# Altium PCB DB31.PcbDoc (part 7 of 8)
Units mil, origin at the board's own origin, x right, y up, seen from the top; angles counter-clockwise.
Board outline 3236.22 x 4456.69 mil, 8 copper layers (Top Layer, MidLayer1, MidLayer2, GND-Layer5, MidLayer3, VCC, MidLayer4, Bottom Layer), stack 61.8 mil thick; 226 components, 469 nets, 1815 pads, 1562 vias.
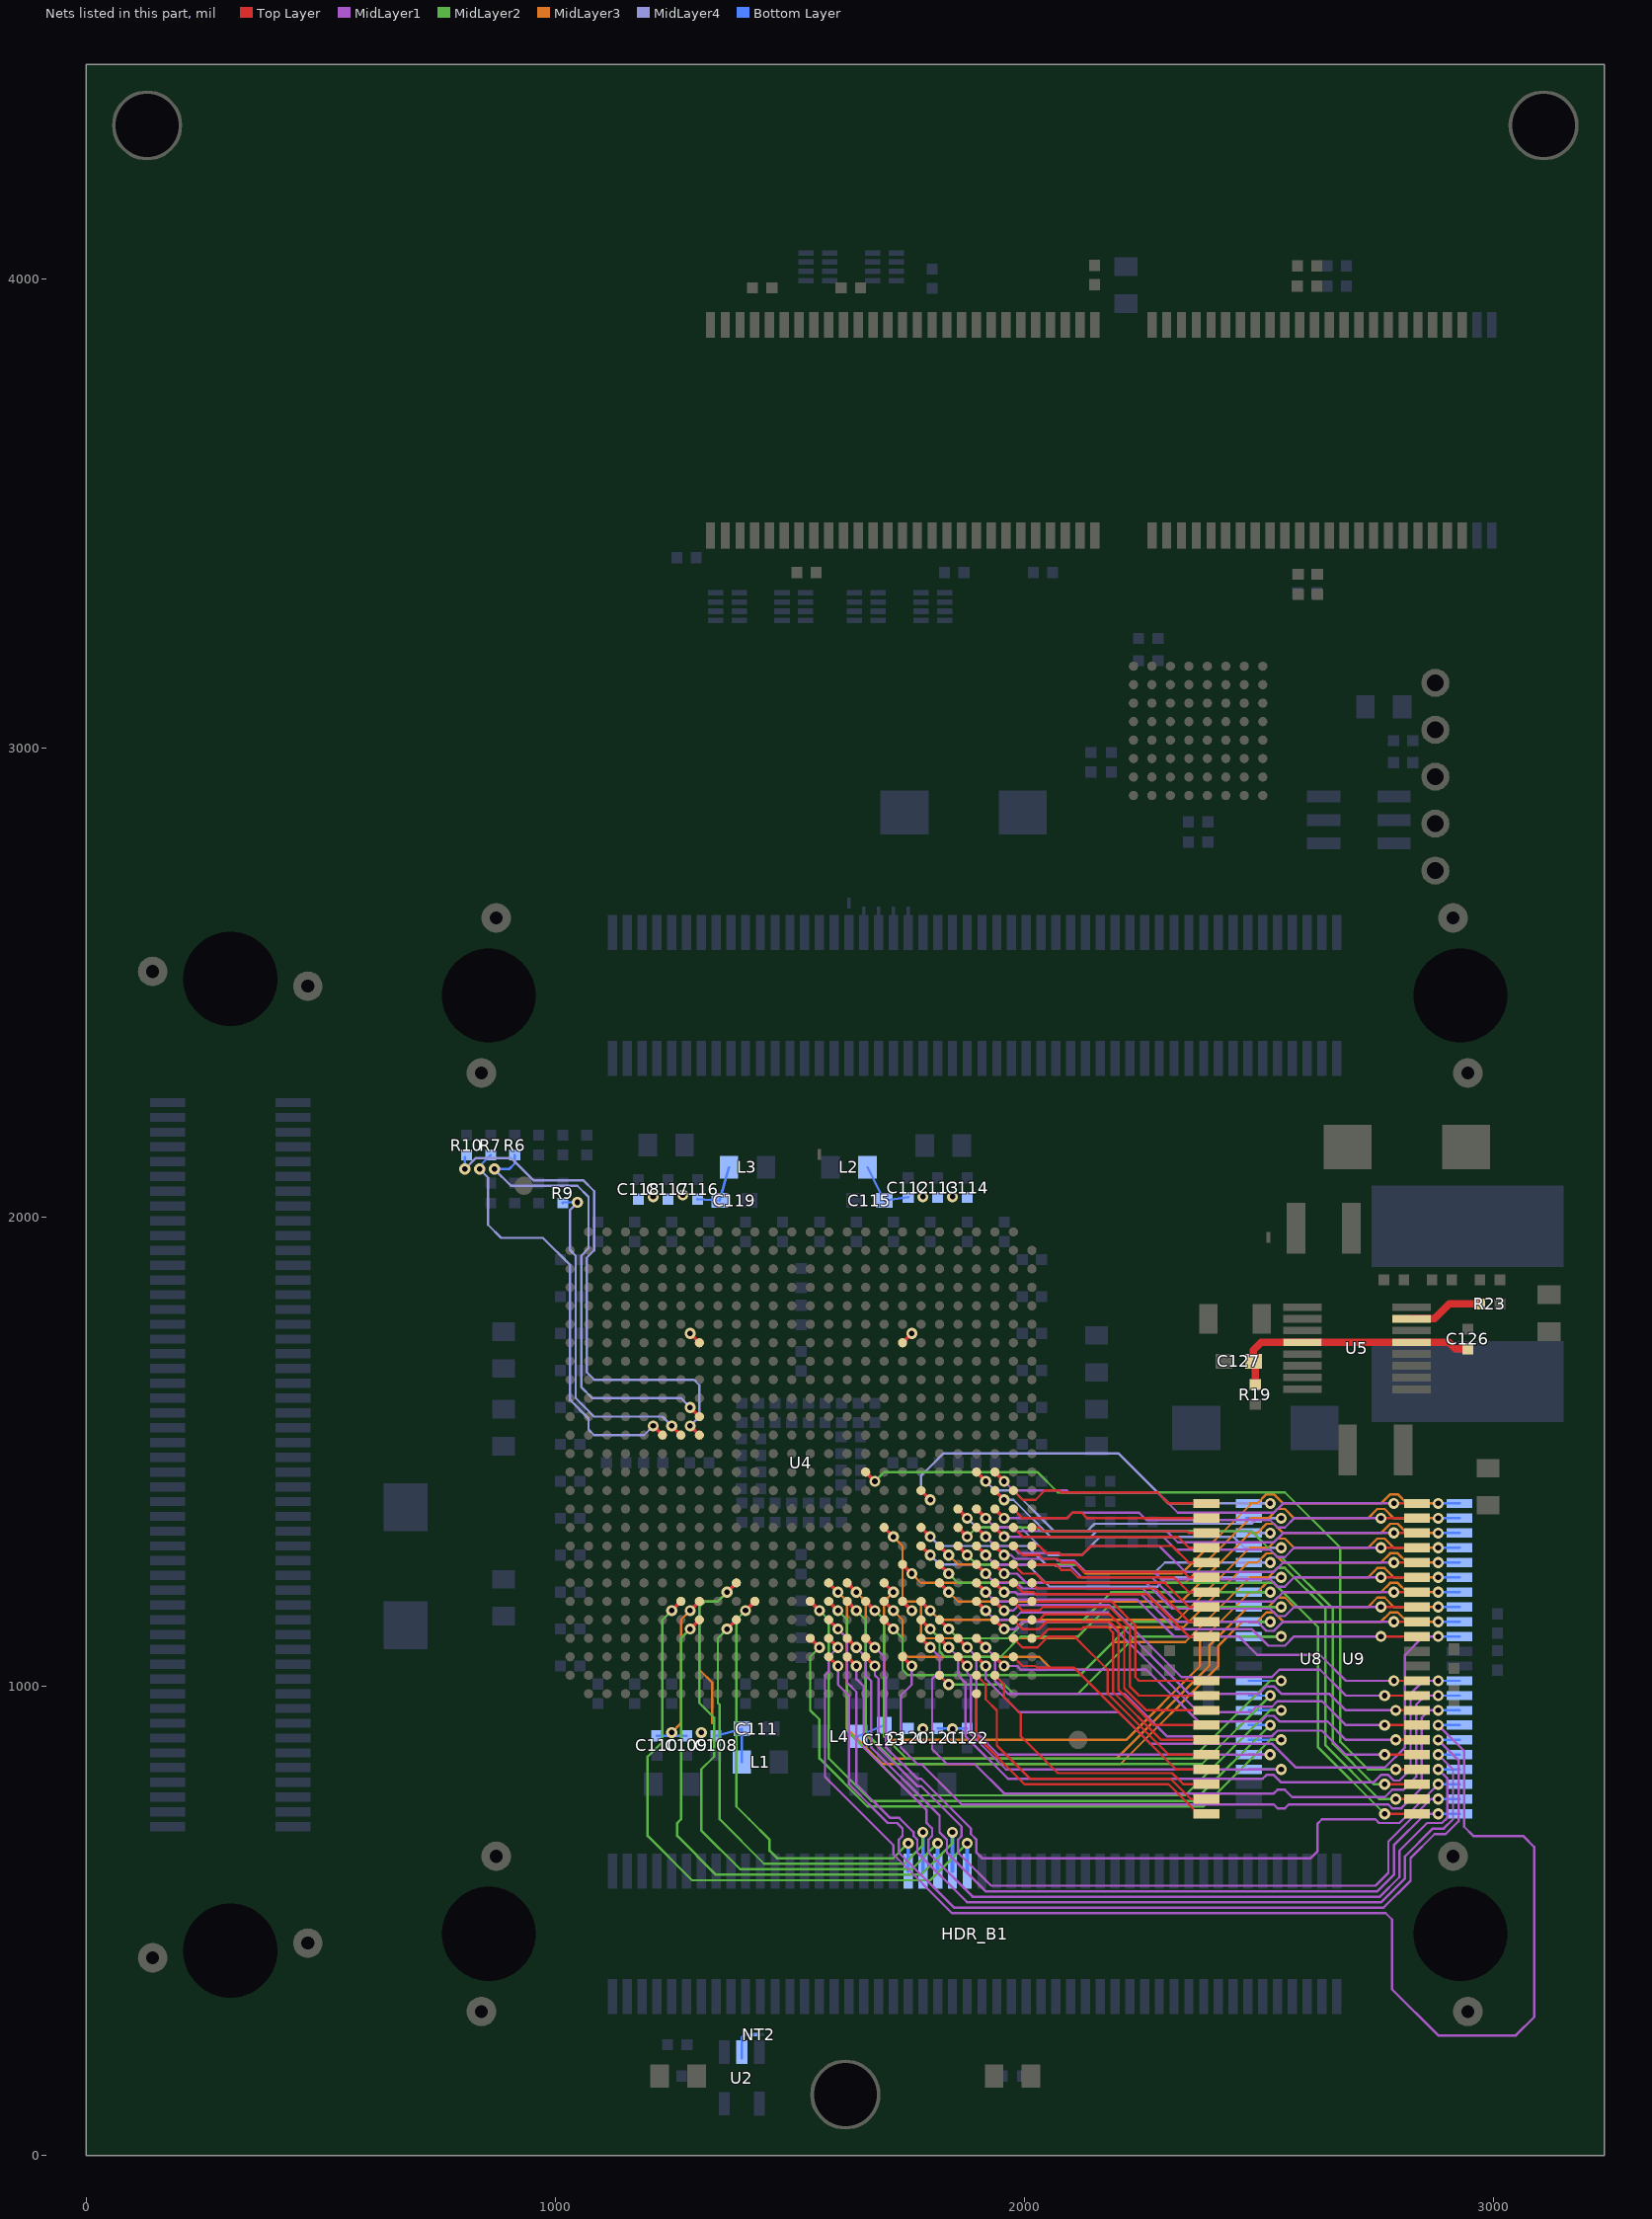
[diagram p13: the nets of this part, all layers, seen from the top]

## Via types
v1: diameter 23.62, hole 11.81, Top Layer to Bottom Layer, 947 vias
v2: diameter 23.62, hole 11.81, Top Layer to Bottom Layer, tented both sides, 476 vias
v3: diameter 27.56, hole 15.75, Top Layer to Bottom Layer, 138 vias
v4: diameter 23.62, hole 11.81, Top Layer to Bottom Layer, tented top, 1 vias

## Nets (pads, with @x,y where several pads share a name; then routed paths per layer and width w, separated by ;. In a path a pad name is that pad's centre, name@x,y a point inside that pad or via, vN(x,y) a via of type N, cw(c..) or ccw(c..) an arc to the next point about the centre after c; other vN are vias at no path point) (continued)
SRAM1_A3: U4.AD22 U9.4 | length 938
  Top Layer w7.87: U4.AD22@1858.27,1062.99 v1(1877.95,1043.3)
  MidLayer1 w5: v1(1877.95,1043.3) 1877.95,1027.56 1885.83,1019.68 1885.83,921.26 1885.83,909.45 1885.83,897.64 1960.63,822.83 v1(2547.24,822.83)
  Bottom Layer w5: U9.4@2478.44,822.83 v1(2547.24,822.83)
SRAM1_A4: U4.AC22 U9.5 | length 907.8
  Top Layer w7.87: U4.AC22@1858.27,1102.36 v1(1877.96,1082.67)
  MidLayer1 w5: v1(1877.96,1082.67) 1897.64,1062.99 1897.64,921.26 1897.64,909.45 1897.64,901.57 1944.88,854.33 v1(2523.62,854.33)
  Bottom Layer w5: U9.5@2478.44,854.32 v1(2523.62,854.33)
SRAM1_A5: U4.U20 U9.18 | length 840.9
  Top Layer w7.87: U4.U20@1779.53,1338.58 v1(1799.22,1318.9)
  MidLayer4 w5: v1(1799.22,1318.9) 1818.9,1299.21 2005.91,1299.21 2045.27,1259.84 2078.74,1259.84 2090.55,1259.84 2114.17,1259.84 2129.92,1244.09 2279.53,1244.09 2299.2,1263.77 v1(2523.83,1263.77)
  Bottom Layer w5: U9.18@2478.44,1263.77 v1(2523.83,1263.77) v1@2527.77,1263.77
SRAM1_A6: U4.T22 U9.19 | length 828.6
  Top Layer w7.87: U4.T22@1858.27,1377.95 v1(1877.96,1358.27)
  MidLayer4 w5: v1(1877.96,1358.27) 1897.64,1338.58 1992.13,1338.58 2051.18,1279.53 2078.74,1279.53 2090.55,1279.53 2122.05,1279.53 2161.42,1318.9 2444.88,1318.9 2468.5,1295.28 v1(2547.24,1295.28)
  Bottom Layer w5: U9.19@2478.44,1295.27 v1(2547.24,1295.28) v1@2551.18,1295.28
SRAM1_A7: U4.R24 U9.20 | length 683.4
  Top Layer w7.87: U4.R24@1937.01,1417.32 v1(1956.7,1397.64)
  MidLayer4 w5: v1(1956.7,1397.64) 1976.38,1397.64 2055.12,1318.9 2078.74,1318.9 2090.55,1318.9 2141.73,1318.9 2153.54,1330.71 2484.25,1330.71 2488.2,1326.76 v1(2523.83,1326.76)
  Bottom Layer w5: U9.20@2478.44,1326.76 v1(2523.83,1326.76) v1@2527.77,1326.76
SRAM1_A8: U4.P23 U9.21 | length 791.9
  Top Layer w7.87: U4.P23@1897.64,1456.69 v1(1917.33,1437.01)
  MidLayer4 w5: v1(1917.33,1437.01) 1937.01,1417.32 1976.38,1417.32 2062.99,1330.71 2078.74,1330.71 2090.55,1330.71 2133.86,1330.71 2149.61,1346.46 2484.25,1346.46 2496.06,1358.27 v1(2547.24,1358.27)
  Bottom Layer w5: U9.21@2472.44,1358.27 U9.21@2478.44,1358.26 v1(2547.24,1358.27) v1@2551.18,1358.27
SRAM1_A9: U4.R20 U9.22 | length 940.5
  Top Layer w7.87: U4.R20@1779.53,1417.32 v1(1799.22,1397.64)
  MidLayer4 w5: v1(1799.22,1397.64) 1779.53,1417.32 1779.53,1448.82 1826.77,1496.06 2078.74,1496.06 2090.55,1496.06 2200.79,1496.06 2307.1,1389.75 v1(2523.83,1389.75)
  Bottom Layer w5: U9.22@2478.44,1389.75 v1(2523.83,1389.75)
SRAM1_A10: U4.V21 U9.23 | length 1229.9
  Top Layer w7.87: U4.V21@1818.9,1299.21 v1(1838.59,1279.53)
  MidLayer3 w5: v1(1838.59,1279.53) 1858.27,1259.84 2078.74,1259.84 2090.55,1259.84 2110.24,1259.84 2129.92,1240.16 2334.65,1240.16 2480.33,1385.84 2480.33,1389.75 2496.27,1389.75 2515.96,1409.44 2531.7,1409.44 2551.38,1389.76 ; 2551.18,1389.76 2551.38,1389.76 ; v1(2881.9,1389.75) 2814.97,1389.75 2795.28,1409.45 2779.53,1409.45 2759.84,1389.76 2551.38,1389.76
  Bottom Layer w5: v1(2881.9,1389.75) U9.23@2927.25,1389.75
SRAM1_A11: U4.W19 U9.24 | length 1292.8
  Top Layer w7.87: U4.W19@1740.16,1259.84 v1(1759.84,1240.16)
  MidLayer3 w5: v1@1760.03,1239.97 1779.53,1220.47 2078.74,1220.47 2090.55,1220.47 2342.52,1220.47 2480.31,1358.27 2519.69,1358.27 2539.37,1377.95 2555.12,1377.95 2574.8,1358.27 2732.28,1358.27 2751.97,1377.95 2767.72,1377.95 2787.41,1358.26 v1(2881.9,1358.26)
  Bottom Layer w5: v1(2881.9,1358.26) U9.24@2927.25,1358.26
SRAM1_A12: U4.Y21 U9.25 | length 1217.6
  Top Layer w7.87: U4.Y21@1818.9,1220.47 v1(1838.58,1200.78)
  MidLayer3 w5: v1(1838.58,1200.78) 1858.27,1181.1 2078.74,1181.1 2090.55,1181.1 2334.67,1181.1 2480.33,1326.76 2496.27,1326.76 2515.96,1346.45 2531.7,1346.45 2551.38,1326.77 2759.84,1326.77 2779.53,1346.46 2795.28,1346.46 2814.97,1326.76 v1(2881.9,1326.76)
  Bottom Layer w5: v1(2881.9,1326.76) U9.25@2927.25,1326.76
SRAM1_A13: U4.AA20 U9.26 | length 1260.3
  Top Layer w7.87: U4.AA20@1779.53,1181.1 v1(1799.22,1161.41)
  MidLayer3 w5: v1(1799.22,1161.41) 1818.9,1141.73 2078.74,1141.73 2090.55,1141.73 2326.77,1141.73 2480.31,1295.28 2519.69,1295.28 2539.37,1314.96 2555.12,1314.96 2574.8,1295.28 2732.28,1295.28 2751.97,1314.96 2767.72,1314.96 2787.41,1295.27 v1(2881.9,1295.27)
  Bottom Layer w5: v1(2881.9,1295.27) U9.26@2927.25,1295.27
SRAM1_A14: U4.U18 U9.27 | length 1525.3
  Top Layer w7.87: U4.U18@1700.79,1338.58 v1(1720.47,1318.9)
  MidLayer3 w5: v1(1720.47,1318.9) 1740.16,1299.21 1740.16,1188.98 1748.03,1181.1 1771.65,1181.1 1779.53,1173.23 1779.53,1110.24 1787.4,1102.36 2078.74,1102.36 2090.55,1102.36 2110.24,1102.36 2133.86,1125.98 2338.58,1125.98 2476.37,1263.77 2496.27,1263.77 2515.96,1283.45 2531.7,1283.45 2551.38,1263.78 2759.84,1263.78 2779.53,1283.46 2795.28,1283.46 2814.97,1263.77 v1(2881.9,1263.77)
  Bottom Layer w5: v1(2881.9,1263.77) U9.27@2927.25,1263.77
SRAM1_A15: U4.AC17 U9.42 | length 1700
  Top Layer w7.87: U4.AC17@1661.42,1102.36 v1(1681.1,1082.67)
  MidLayer1 w5: v1(1681.1,1082.67) 1700.79,1062.99 1700.79,1023.62 1704.72,1019.68 1704.72,921.26 1704.72,909.45 1704.72,870.08 1771.65,803.15 1779.53,803.15 1885.83,696.85 1885.83,685.04 1897.64,673.23 1897.64,645.67 1909.45,633.86 2610.24,633.86 2624.26,647.88 2624.26,706.94 2633.86,716.54 2748.03,716.54 2755.91,708.66 2799.21,708.66 v1(2881.9,791.33)
  Bottom Layer w5: v1(2881.9,791.33) U9.42@2927.25,791.33
SRAM1_A16: U4.AD17 U9.43 | length 1724
  Top Layer w7.87: U4.AD17@1661.42,1062.99 v1(1681.1,1043.3)
  MidLayer1 w5: v1(1681.1,1043.3) 1681.1,1023.62 1688.98,1015.75 1688.98,921.26 1688.98,909.45 1688.98,870.08 1771.65,787.4 1779.53,787.4 1866.14,700.79 1866.14,681.1 1858.27,673.23 1858.27,645.67 1928.89,575.05 2748.28,575.05 2775.59,602.36 2775.59,669.29 2866.13,759.83 v1(2881.9,759.83)
  Bottom Layer w5: v1(2881.9,759.83) U9.43@2927.25,759.83
SRAM1_A17: U4.AC16 U9.44 | length 1776.8
  Top Layer w7.87: U4.AC16@1622.05,1102.36 v1(1641.73,1082.67)
  MidLayer1 w5: v1(1641.73,1082.67) 1661.42,1062.99 1661.42,1023.62 1673.23,1011.81 1673.23,921.26 1673.23,909.45 1673.23,870.08 1818.9,724.41 1818.9,688.98 1834.65,673.23 1834.65,645.67 1917.08,563.24 2752.21,563.24 2787.4,598.43 2787.4,661.42 2854.32,728.34 v1(2881.9,728.34)
  Bottom Layer w5: v1(2881.9,728.34) U9.44@2927.25,728.34
SRAM1_A18: U4.AA18 U9.28 | length 1440.2
  Top Layer w7.87: U4.AA18@1700.79,1181.1 v1(1720.47,1161.41)
  MidLayer3 w5: v1(1720.47,1161.41) 1740.16,1141.73 1740.16,1074.8 1751.97,1062.99 2031.5,1062.99 2059.05,1035.43 2078.74,1035.43 2090.55,1035.43 2129.92,1035.43 2188.98,1094.49 2342.52,1094.49 2480.31,1232.28 2519.69,1232.28 2539.37,1251.97 2555.12,1251.97 2574.8,1232.28 2732.28,1232.28 2751.97,1251.97 2767.72,1251.97 2787.41,1232.28 v1(2881.9,1232.27)
  Bottom Layer w5: v1(2881.9,1232.27) U9.28@2927.25,1232.27
SRAM1_D0: U4.AA14 U9.7 | length 1445.8
  Top Layer w7.87: U4.AA14@1543.31,1181.1 v1(1562.99,1161.41)
  MidLayer2 w5: v1(1562.99,1161.41) 1582.68,1141.73 1582.68,921.26 1582.68,909.45 1582.68,846.46 1673.23,755.91 2362.2,755.91 2523.6,917.3 v1(2523.83,917.3)
  Bottom Layer w5: U9.7@2478.44,917.31 v1(2523.83,917.3) v1@2527.77,917.3
SRAM1_D1: U4.AA15 U9.8 | length 1421.9
  Top Layer w7.87: U4.AA15@1582.68,1181.1 v1(1602.36,1161.41)
  MidLayer2 w5: v1(1602.36,1161.41) 1622.05,1141.73 1622.05,921.26 1622.05,909.45 1622.05,905.51 1759.84,767.72 2342.52,767.72 2523.62,948.82 v1(2547.24,948.82)
  Bottom Layer w5: U9.8@2478.44,948.81 v1(2547.24,948.82) v1@2551.18,948.82
SRAM1_D2: U4.AA16 U9.9 | length 1295.9
  Top Layer w7.87: U4.AA16@1622.05,1181.1 v1(1641.73,1161.41)
  MidLayer2 w5: v1(1641.73,1161.41) 1661.42,1141.73 1661.42,921.26 1661.42,909.45 1661.42,901.57 1728.35,834.65 2378.17,834.65 v1(2523.83,980.31) v1@2523.61,980.31
  Bottom Layer w5: U9.9@2478.44,980.31 v1(2523.83,980.31) v1@2527.77,980.31
SRAM1_D3: U4.AA17 U9.10 | length 1311
  Top Layer w7.87: U4.AA17@1661.42,1181.1 v1(1681.1,1161.41)
  MidLayer2 w5: v1(1681.1,1161.41) 1700.79,1141.73 1700.79,921.26 1700.79,909.45 1700.79,893.7 1748.03,846.46 2358.27,846.46 2523.62,1011.81 v1(2547.24,1011.81)
  Bottom Layer w5: U9.10@2478.44,1011.8 v1(2547.24,1011.81) v1@2551.18,1011.81
SRAM1_D4: U4.AE21 U9.13 | length 868
  Top Layer w5: U4.AE21@1818.9,1023.62 v1(1838.58,1003.94)
  MidLayer2 w5: v1(1838.58,1003.94) 1956.69,1003.94 1976.38,984.25 2078.74,984.25 2090.55,984.25 2114.17,984.25 2236.22,1106.3 v1(2547.24,1106.3)
  Bottom Layer w5: U9.13@2478.44,1106.29 v1(2547.24,1106.3) v1@2551.18,1106.3
SRAM1_D5: U4.AB18 U9.14 | length 1007.8
  Top Layer w7.87: U4.AB18@1700.79,1141.73 v1(1720.47,1122.04)
  MidLayer2 w5: v1(1720.47,1122.04) 1740.16,1102.36 1740.16,1035.43 1751.97,1023.62 2078.74,1023.62 2090.55,1023.62 2118.11,1023.62 2232.27,1137.79 v1(2523.83,1137.79)
  Bottom Layer w5: U9.14@2478.44,1137.79 v1(2523.83,1137.79) v1@2527.77,1137.79
SRAM1_D6: U4.AB20 U9.15 | length 933.2
  Top Layer w7.87: U4.AB20@1779.53,1141.73 v1(1799.21,1122.04)
  MidLayer2 w5: v1(1799.21,1122.04) 1818.9,1102.36 1818.9,1074.8 1830.71,1062.99 1948.82,1062.99 1992.13,1106.3 2078.74,1106.3 2090.55,1106.3 2114.17,1106.3 2177.17,1169.29 v1(2547.24,1169.29)
  Bottom Layer w5: U9.15@2478.44,1169.28 v1(2547.24,1169.29) v1@2551.18,1169.29
SRAM1_D7: U4.AB21 U9.16 | length 811.3
  Top Layer w7.87: U4.AB21@1818.9,1141.73 v1(1838.58,1122.04)
  MidLayer2 w5: v1(1838.58,1122.04) 1858.27,1102.36 1964.57,1102.36 2000,1137.8 2078.74,1137.8 2090.55,1137.8 2122.05,1137.8 2185.04,1200.79 v1@2523.83,1200.79
  Bottom Layer w5: U9.16@2478.44,1200.78 v1(2523.83,1200.78) v1@2527.77,1200.78
SRAM1_D8: U4.Y18 U9.29 | length 1765.9
  Top Layer w7.87: U4.Y18@1700.79,1220.47 v1(1720.47,1200.78)
  MidLayer3 w5: v1(1720.47,1200.78) 1700.79,1181.1 1700.79,921.26 1700.79,909.45 1700.79,893.7 1708.66,885.83 2216.54,885.83 2374.02,1043.31 2374.02,1094.49 2480.3,1200.78 2496.27,1200.78 2515.96,1220.46 2531.7,1220.46 2551.38,1200.79 2759.84,1200.79 2779.53,1220.47 2795.28,1220.47 2814.97,1200.78 v1(2881.9,1200.78)
  Bottom Layer w5: v1(2881.9,1200.78) U9.29@2927.25,1200.78
SRAM1_D9: U4.Y16 U9.30 | length 1817.9
  Top Layer w7.87: U4.Y16@1622.05,1220.47 v1(1641.73,1200.78)
  MidLayer3 w5: v1(1641.73,1200.78) 1661.42,1181.1 1661.42,921.26 1661.42,909.45 1661.42,897.64 1712.6,846.46 2196.85,846.46 2393.7,1043.31 2393.7,1086.61 2476.38,1169.29 2519.69,1169.29 2539.37,1188.98 2555.12,1188.98 2574.8,1169.29 2732.28,1169.29 2751.97,1188.98 2767.72,1188.98 2787.41,1169.29 v1(2881.9,1169.28)
  Bottom Layer w5: v1(2881.9,1169.28) U9.30@2927.25,1169.28
SRAM1_D10: U4.Y15 U9.31 | length 1847.1
  Top Layer w7.87: U4.Y15@1582.68,1220.47 v1(1602.36,1200.78)
  MidLayer3 w5: v1(1602.36,1200.78) 1622.05,1181.1 1622.05,921.26 1622.05,909.45 1696.85,834.65 2204.72,834.65 2413.39,1043.31 2413.39,1086.61 2464.56,1137.79 2496.27,1137.79 2515.96,1157.47 2531.7,1157.47 2551.38,1137.8 2759.84,1137.8 2779.53,1157.48 2795.28,1157.48 2814.97,1137.79 v1(2881.9,1137.79)
  Bottom Layer w5: v1(2881.9,1137.79) U9.31@2927.25,1137.79
SRAM1_D11: U4.AD23 U9.32 | length 1379
  Top Layer w7.87: U4.AD23@1897.64,1062.99 v1(1917.33,1043.3)
  MidLayer1 w5: v1(1917.33,1043.3) 1917.33,1015.75 1988.19,944.88 2078.74,944.88 2090.55,944.88 2200.79,944.88 2267.72,877.95 2527.56,877.95 2578.75,826.76 2767.71,826.76 2811.02,870.08 2811.02,1066.93 2850.39,1106.3 2858.27,1106.3 2862.59,1106.3 ; 2858.28,1106.29 v1(2881.9,1106.29)
  Bottom Layer w5: v1(2881.9,1106.29) U9.32@2927.25,1106.29
SRAM1_D12: U4.AC21 U9.35 | length 1526.1
  Top Layer w7.87: U4.AC21@1818.9,1102.36 v1(1838.59,1082.67)
  MidLayer1 w5: v1(1838.59,1082.67) 1858.27,1062.99 1858.27,1023.62 1874.02,1007.87 1874.02,921.26 1874.02,909.45 1874.02,893.7 1964.57,803.15 2507.87,803.15 2515.75,811.02 2531.5,811.02 2547.24,795.28 2744.09,795.27 2759.84,811.02 2775.6,811.02 2787.4,799.21 2799.21,799.21 2822.83,822.83 2822.83,984.25 2850.39,1011.81 2862.2,1011.81 ; 2862.21,1011.8 v1(2881.9,1011.8)
  Bottom Layer w5: v1(2881.9,1011.8) U9.35@2927.25,1011.8
SRAM1_D13: U4.AC20 U9.36 | length 1611.7
  Top Layer w7.87: U4.AC20@1779.53,1102.36 v1(1799.22,1082.67)
  MidLayer1 w5: v1(1799.22,1082.67) 1818.9,1062.99 1818.9,1031.5 1803.15,1015.75 1803.15,921.26 1803.15,909.45 1803.15,866.14 1834.65,834.65 1893.7,834.65 1956.69,771.65 2531.5,771.65 2539.37,779.53 2555.12,779.53 2570.87,763.78 2767.71,763.77 2783.46,779.52 2807.08,779.52 2834.65,807.09 2834.65,960.63 2854.33,980.32 2862.2,980.32 v1(2881.9,980.31)
  Bottom Layer w5: v1(2881.9,980.31) U9.36@2927.25,980.31
SRAM1_D14: U4.AD19 U9.37 | length 1636.3
  Top Layer w7.87: U4.AD19@1740.16,1062.99 v1(1759.84,1043.3)
  MidLayer1 w5: v1(1759.84,1043.3) 1759.84,1003.94 1736.22,980.32 1736.22,921.26 1736.22,909.45 1736.22,870.08 1772.88,833.42 1780.75,833.42 1827.76,786.42 1866.14,748.03 2531.5,748.03 2539.37,740.16 2555.12,740.16 2562.99,748.03 2775.59,748.03 2783.46,740.16 2803.15,740.16 2846.46,783.46 2846.46,933.07 2862.2,948.82 v1(2881.9,948.81)
  Bottom Layer w5: v1(2881.9,948.81) U9.37@2927.25,948.81
SRAM1_D15: U4.AC15 U9.38 | length 2984.3
  Top Layer w7.87: U4.AC15@1582.68,1102.36 v1(1602.36,1082.67)
  MidLayer1 w5: v1(1602.36,1082.67) 1582.68,1062.99 1582.68,1031.5 1574.8,1023.62 1574.8,921.26 1574.8,909.45 1574.8,807.09 1720.47,661.42 1720.47,641.73 1845.47,516.73 2769.68,516.73 2783.46,502.95 2783.46,354.33 2881.89,255.91 3047.24,255.91 3086.61,295.28 3086.61,657.48 3062.99,681.1 2956.69,681.1 2937.01,700.79 2937.01,862.2 v1(2881.9,917.31)
  Bottom Layer w5: v1(2881.9,917.31) U9.38@2927.25,917.31
SRAM1_NBHE: U4.AB15 U9.40 | length 2068.3
  Top Layer w7.87: U4.AB15@1582.68,1141.73 v1(1602.36,1122.04)
  MidLayer1 w5: v1(1602.36,1122.04) 1622.05,1102.36 1622.05,1007.87 1641.73,988.19 1641.73,921.26 1641.73,909.45 1641.73,791.34 1713.58,719.49 1733.27,719.49 1763.78,688.98 1763.78,681.1 1771.65,673.23 1771.65,645.67 1877.21,540.11 2760.58,540.11 2811.02,590.55 2811.02,637.79 2870.08,696.85 2893.7,696.85 2913.39,716.54 2913.39,822.83 v1(2881.9,854.32)
  Bottom Layer w5: v1(2881.9,854.32) U9.40@2927.25,854.32
SRAM1_NBLE: U4.AD15 U9.39 | length 2079.8
  Top Layer w7.87: U4.AD15@1582.68,1062.99 v1(1602.36,1043.3)
  MidLayer1 w5: v1(1602.36,1043.3) 1602.36,1003.93 1620.15,986.15 1625.98,980.31 1625.98,921.26 1625.98,909.45 1625.98,791.34 1708.66,708.66 1728.35,708.66 1740.16,696.85 1740.16,681.1 1732.28,673.23 1732.28,645.67 1849.41,528.54 2765.75,528.54 2822.83,585.63 2822.83,633.86 2874.02,685.04 2897.64,685.04 2925.2,712.6 2925.2,842.52 v1(2881.9,885.82)
  Bottom Layer w5: v1(2881.9,885.82) U9.39@2927.25,885.82
SRAM1_NCS: U4.AC14 U9.6 | length 1438.5
  Top Layer w7.87: U4.AC14@1543.31,1102.36 v1(1562.99,1082.67)
  MidLayer2 w5: v1(1562.99,1082.67) 1543.31,1062.99 1543.31,948.82 1562.99,929.13 1562.99,921.26 1562.99,909.45 1562.99,846.46 1665.35,744.09 2381.89,744.09 2523.62,885.83 v1(2547.24,885.83)
  Bottom Layer w5: U9.6@2478.44,885.82 v1(2547.24,885.83) v1@2551.18,885.83
SRAM1_NOE: U4.AD16 U9.41 | length 1899.5
  Top Layer w7.87: U4.AD16@1622.05,1062.99 v1(1641.73,1043.3)
  MidLayer1 w5: v1(1641.73,1043.3) 1641.74,1015.75 1657.48,1000 1657.48,921.26 1657.48,909.45 1657.48,870.08 1791.34,736.22 1791.34,708.66 1799.21,700.79 1803.15,696.85 1803.15,681.1 1795.28,673.23 1795.28,645.67 1889.27,551.67 2757.38,551.67 2799.21,593.5 2799.21,649.61 2858.27,708.66 2889.76,708.66 2901.57,720.47 2901.57,803.15 v1(2881.9,822.83)
  Bottom Layer w5: v1(2881.9,822.83) U9.41@2927.25,822.83
SRAM1_NWE: U4.V20 U9.17 | length 884.5
  Top Layer w7.87: U4.V20@1779.53,1299.21 v1(1799.22,1279.53)
  MidLayer4 w5: v1(1799.22,1279.53) 1818.9,1259.84 2005.91,1259.84 2053.15,1212.6 2078.74,1212.6 2090.55,1212.6 2283.46,1212.6 2303.15,1232.28 v1(2547.24,1232.28)
  Bottom Layer w5: U9.17@2478.44,1232.28 v1(2547.24,1232.28) v1@2551.18,1232.28
SRAM2_A0: U4.W21 U8.1 | length 1387.9
  Top Layer w5: v1(2767.69,728.34) U8.1@2836.71,728.34
  Top Layer w7.87: U4.W21@1818.9,1259.84 v1(1838.59,1240.16)
  MidLayer2 w5: v1(1838.59,1240.16) 1858.27,1220.47 2078.74,1220.47 2090.55,1220.47 2531.5,1220.47 2625.98,1125.98 2625.98,870.08 v1(2767.69,728.34)
SRAM2_A1: U4.V22 U8.2 | length 1379
  Top Layer w5: v1(2791.34,759.84) U8.2@2836.71,759.83
  Top Layer w7.87: U4.V22@1858.27,1299.21 v1(1877.96,1279.53)
  MidLayer2 w5: v1(1877.96,1279.53) 1897.64,1259.84 2078.74,1259.84 2090.55,1259.84 2114.17,1259.84 2129.92,1244.09 2531.5,1244.09 2539.37,1251.97 2555.12,1251.97 2641.73,1165.35 2641.73,874.02 2755.91,759.84 v1(2791.34,759.84)
SRAM2_A2: U4.U22 U8.3 | length 1389.8
  Top Layer w5: v1(2767.69,791.34) U8.3@2836.71,791.33
  Top Layer w7.87: U4.U22@1858.27,1338.58 v1(1877.96,1318.9)
  MidLayer2 w5: v1(1877.96,1318.9) 1897.64,1338.58 2025.59,1338.58 2033.47,1330.71 2078.74,1330.71 2090.55,1330.71 2484.25,1330.71 2539.37,1275.59 2547.24,1275.59 2657.48,1165.35 2657.48,877.95 2744.1,791.34 v1(2767.69,791.34)
SRAM2_A3: U4.P17 U8.4 | length 1696.3
  Top Layer w5: v1(2791.34,822.83) U8.4@2836.71,822.83
  Top Layer w7.87: U4.P17@1661.42,1456.69 v1(1681.1,1437.01)
  MidLayer2 w5: v1(1681.1,1437.01) 1700.79,1456.69 2027.56,1456.69 2070.87,1413.39 2078.74,1413.39 2090.55,1413.39 2555.12,1413.39 2673.23,1295.28 2673.23,881.89 2732.28,822.83 v1(2791.34,822.83)
SRAM2_A4: U4.AC23 U8.5 | length 1101.6
  Top Layer w5: v1(2767.69,854.33) U8.5@2836.71,854.32
  Top Layer w7.87: U4.AC23@1897.64,1102.36 v1(1917.33,1082.67)
  MidLayer1 w5: v1@2759.84,854.31 2685.04,854.31 2633.86,905.51 2539.37,905.51 2527.56,893.7 2303.15,893.7 2212.6,984.25 2090.55,984.25 2078.74,984.25 1964.57,984.25 1937.01,1011.81 1937.01,1062.99 ; 1937.01,1062.99 v1(1917.33,1082.67) 1937.01,1062.99
SRAM2_A5: U4.U23 U8.18 | length 1002.7
  Top Layer w5: v1@2787.4,1263.77 U8.18@2836.71,1263.77
  Top Layer w7.87: U4.U23@1897.64,1338.58 v1(1917.33,1318.9)
  MidLayer1 w5: v1(1917.33,1318.9) 1937.01,1299.21 1972.44,1299.21 1988.19,1283.46 2074.8,1283.46 2078.74,1279.53 2090.55,1279.53 2122.05,1279.53 2141.73,1299.21 2287.4,1299.21 2342.52,1244.09 2531.5,1244.09 2551.18,1263.78 v1(2787.4,1263.78)
SRAM2_A6: U4.U24 U8.19 | length 933.9
  Top Layer w5: v1(2759.84,1295.28) U8.19@2836.71,1295.27
  Top Layer w7.87: U4.U24@1937.01,1338.58 v1(1956.7,1318.9)
  MidLayer1 w5: v1(1956.7,1318.9) 2078.74,1318.9 2090.55,1318.9 2295.28,1318.9 2322.83,1291.34 2523.62,1291.34 2539.37,1275.59 2555.12,1275.59 2574.8,1295.28 v1(2759.84,1295.28)
SRAM2_A7: U4.T23 U8.20 | length 976.6
  Top Layer w5: v1(2787.4,1326.77) U8.20@2836.71,1326.76
  Top Layer w7.87: U4.T23@1897.64,1377.95 v1(1917.33,1358.27)
  MidLayer1 w5: v1(1917.33,1358.27) 1937.01,1338.58 1972.44,1338.58 1980.32,1330.71 2078.74,1330.71 2090.55,1330.71 2303.15,1330.71 2326.77,1307.09 2531.5,1307.09 2551.18,1326.77 v1(2787.4,1326.77)
SRAM2_A8: U4.T24 U8.21 | length 933.9
  Top Layer w5: v1(2759.84,1358.27) U8.21@2836.71,1358.26
  Top Layer w7.87: U4.T24@1937.01,1377.95 v1(1956.7,1358.27)
  MidLayer1 w5: v1(1956.7,1358.27) 2078.74,1358.27 2090.55,1358.27 2102.36,1370.08 2244.09,1370.08 2259.84,1354.33 2523.62,1354.33 2539.37,1338.58 2555.12,1338.58 2574.8,1358.27 v1(2759.84,1358.27)
SRAM2_A9: U4.P24 U8.22 | length 943.7
  Top Layer w5: v1(2787.4,1389.76) U8.22@2836.71,1389.76
  Top Layer w7.87: U4.P24@1937.01,1456.69 v1(1956.7,1437.01)
  MidLayer1 w5: v1(1956.7,1437.01) 1976.38,1417.32 2078.74,1417.32 2090.55,1417.32 2094.49,1413.39 2283.46,1413.39 2326.77,1370.08 2531.5,1370.08 2551.18,1389.76 v1(2787.4,1389.76)
SRAM2_A10: U4.R25 U8.23 | length 439.2
  Top Layer w5: U4.R25@1976.38,1417.32 1996.06,1397.64 2023.62,1397.64 2043.31,1417.32 2074.8,1417.32 2078.74,1413.39 2090.55,1413.39 2283.46,1413.39 2307.1,1389.76 U8.23@2387.89,1389.76